# KiCad board Rogelio Pineda - connect 4 AMLDC-2044B.kicad_pcb (continued)
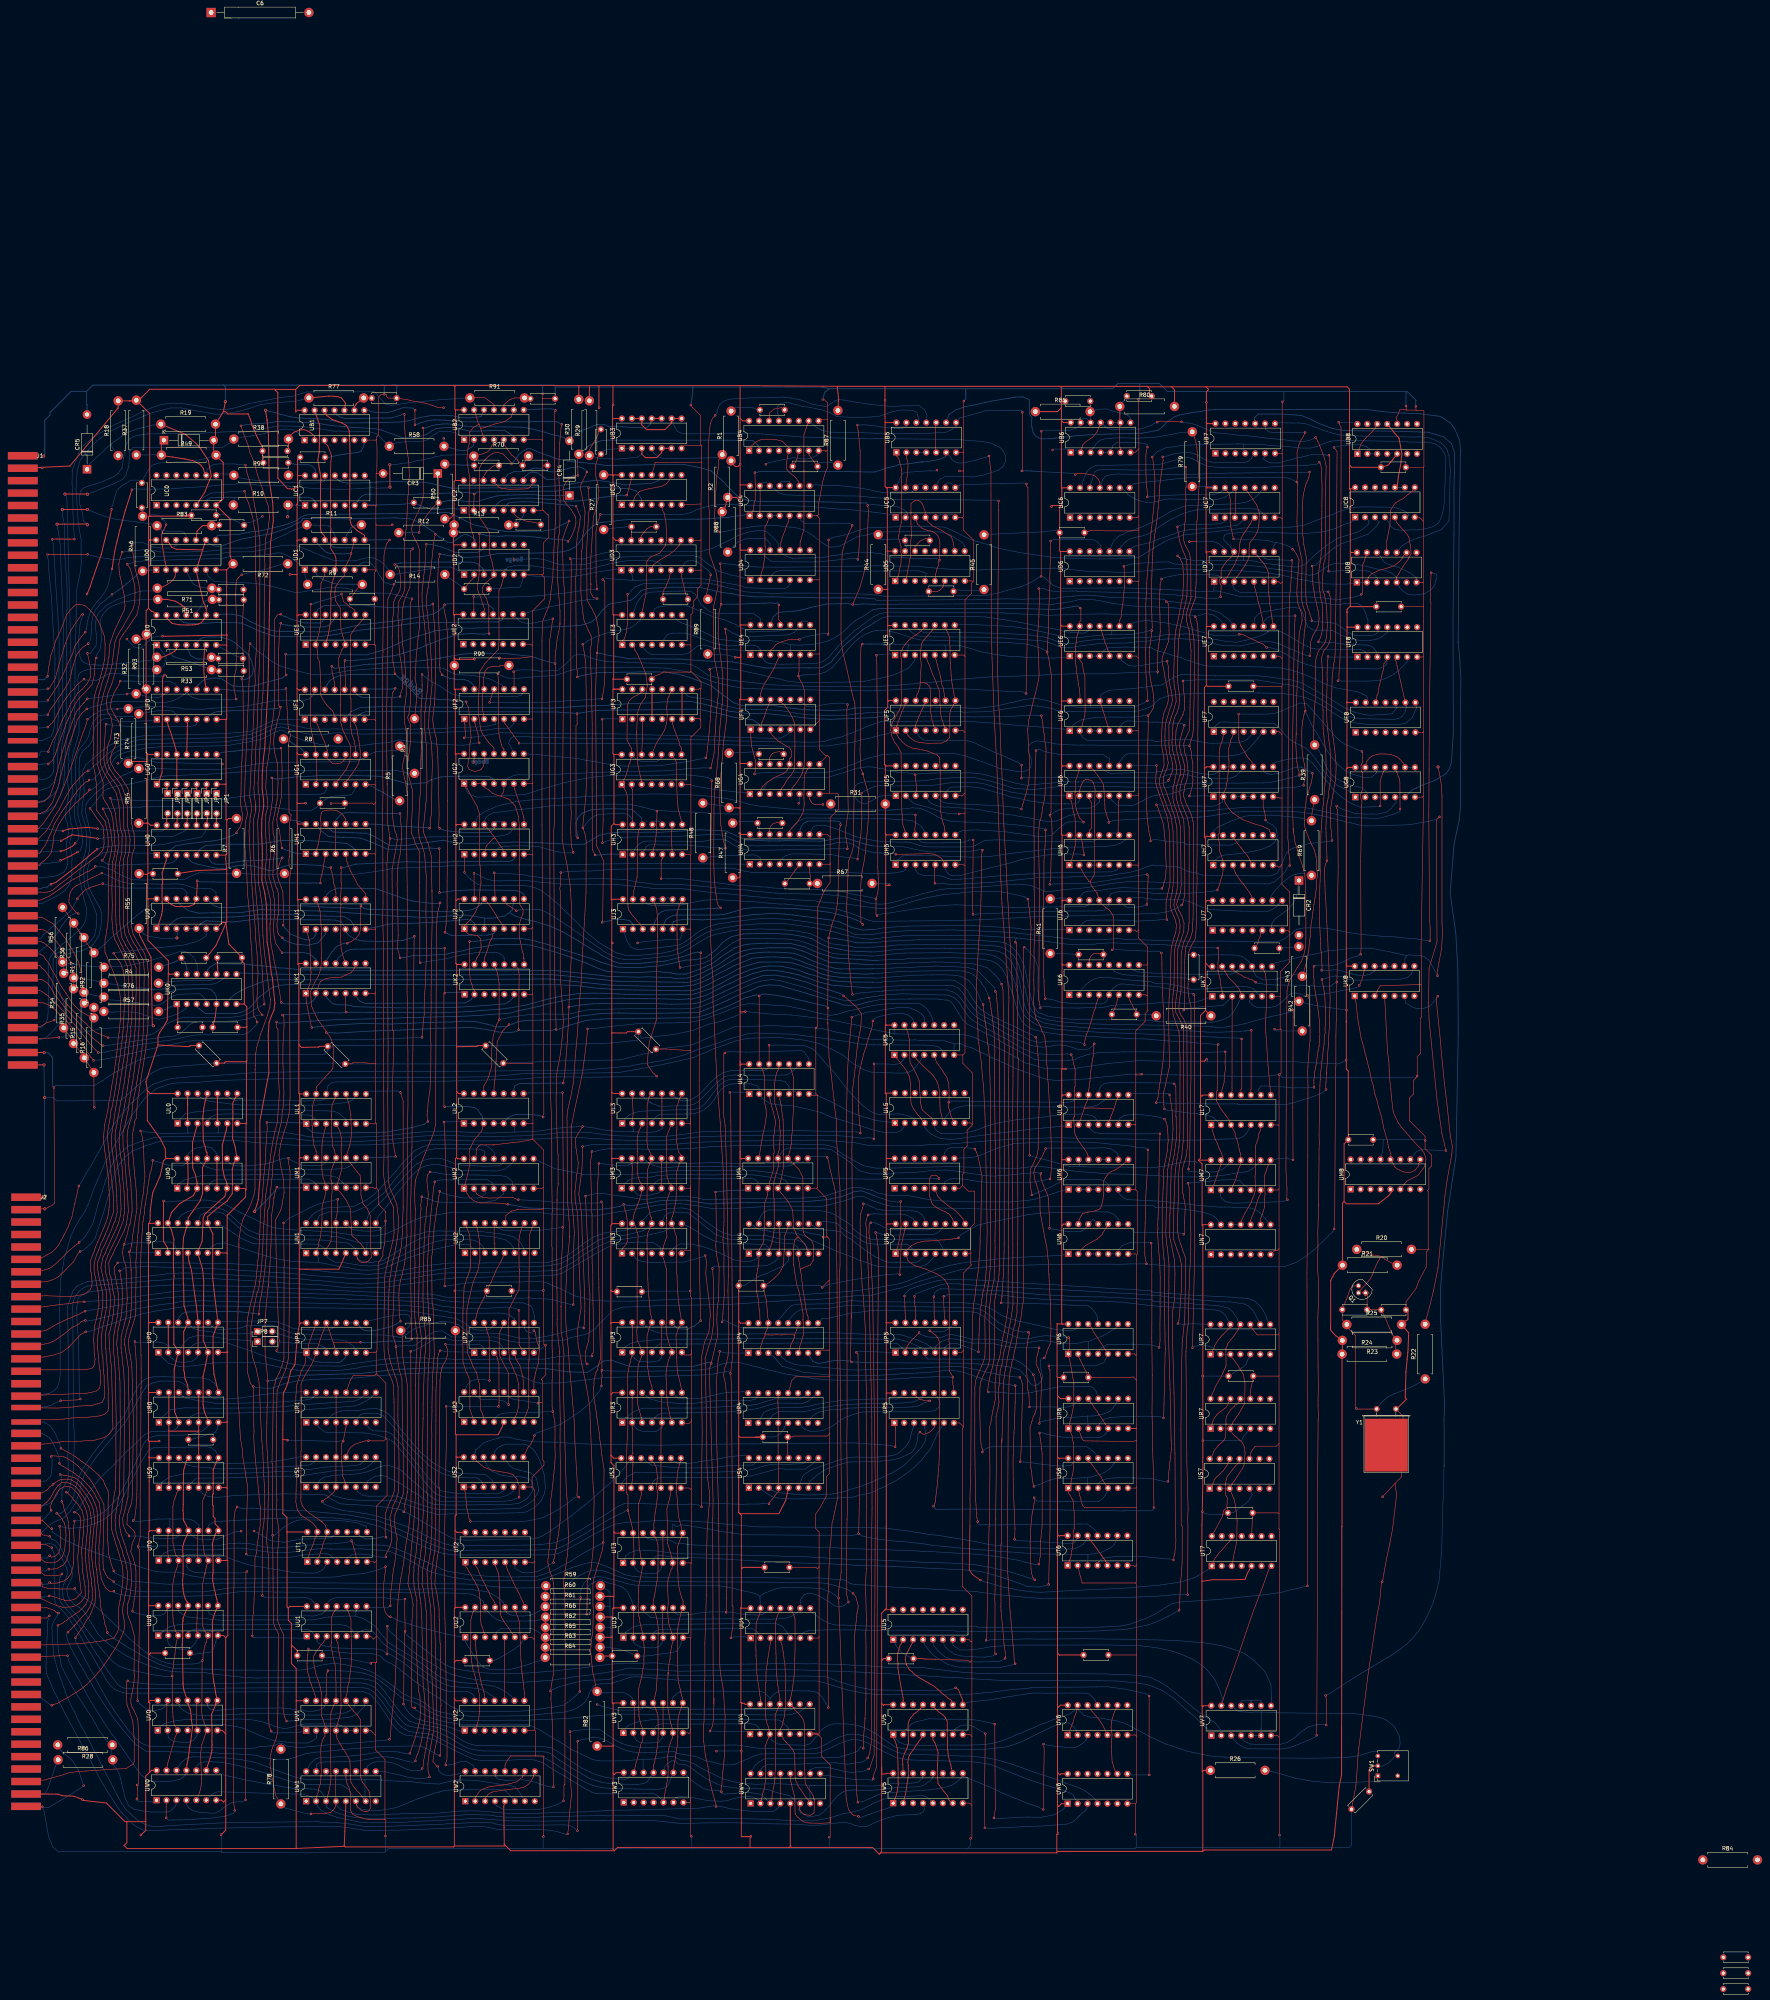
[diagram p0: board, top side]
## Routing (per net, layer and track width the routed paths; a pad name or vN(x,y) marks a point on that pad's centre or on a via; arc(x,y) is an arc through that point) (continued)
  Bottom w0.15: UE2.8 204.95,351.36 206.14,351.88 206.72,351.88 209.44,352.56 210.53,352.84 213.23,353.34 215.68,353.88 218.38,354.4 219.27,354.49 220.25,354.63 220.43,354.69 220.79,354.73 221.24,354.73 221.71,354.76 v1(222.54,354.91) ; C14.1 223.48,392.16 224.17,392.64 224.4,392.78 226.25,393.06 226.94,393.13 UB3.1 UB3.2
E2p9: length 489.8
  Top w0.15: 211.41,51.13 211.41,51.36 v1(211.35,51.42) 211.03,68.27 210.7,73.91 210.76,75.23 210.76,75.76 v1(210.57,75.96) 210.61,75.91 210.83,77.34 210.97,78.21 211.35,80.2 211.38,82.21 211.4,82.91 211.4,101.61 211.35,103.5 210.97,105.14 210.47,106.33 209.95,108.51 209.9,108.97 209.99,109.74 210.33,113.16 210.46,114.73 210.62,119.97 210.53,123.28 210.57,123.58 210.59,124.6 210.91,126.03 210.95,126.87 211.18,128.59 211.39,130.97 211.6,132.86 211.71,134.26 211.8,135.92 211.74,138.44 211.75,142.71 211.72,144.53 v1(211.17,147.29) 211.01,148.56 211.01,155.28 211.06,156 211.06,162.61 210.99,164.08 211.08,171.68 211.05,173.42 211.07,179.58 210.99,183.84 211.02,188.97 210.93,189.57 211.01,198.14 211.06,198.39 210.96,203.56 210.93,206.12 210.93,216.19 210.88,216.24 210.88,221.42 210.57,229.09 210.49,257.55 210.48,258.67 210.32,344.09 210.54,345.08 211.07,348.97 v1(211.21,349.76)
  Top w0.2: 314.11,76.76 v1(314.11,76.74) 314.87,76.22 315.57,74.37 315.94,73.5 UV5.9
  Bottom w0.15: 225.65,78.85 222.57,78.7 220.78,78.69 219.22,78.54 218.25,78.43 216.96,78.06 216.29,77.94 214.92,77.57 212.72,76.96 211.37,76.36 v1(210.57,75.96) ; 225.65,78.85 225.67,78.87 ; 225.65,78.85 226.32,79.21 226.85,79.44 228.33,80.03 266.89,79.75 272.52,79.71 276.66,79.72 279.02,79.64 281.33,79.48 283.73,78.48 286.25,77.71 287.35,77.38 289.61,76.8 290.75,76.61 291.99,76.37 292.55,76.31 293.41,76.2 296.09,76.15 296.81,76.13 301.21,76.05 302.83,76.07 310.39,75.97 311.34,76 313.04,76.32 v1(314.11,76.74) ; v1(211.21,349.76) 210.63,349.53 210.08,349.46 209.19,349.24 207.78,348.99 206.65,348.69 205.48,348.6 204.68,348.55 203.39,348.8 202.7,349.09 202.33,349.46 202.17,349.72 UE2.9 ; UR2.4 196.17,145.3 197.25,146.4 198.27,146.83 200.71,146.98 206.36,147.07 208.63,147.16 209.17,147.29 v1(211.17,147.29) ; v1(211.35,51.42) 211.24,51.32 210.27,51.45 209.62,51.62 208.63,51.92 208.01,52.12 207.04,52.48 204.85,53.04 203.52,53.22 199.28,53.08 199.26,53.11 199.23,53.08 197.26,53.33 196.43,54.21 UW2.13 ; UV6.11 349.59,73.66 348.89,74.59 348.04,75.29 346.35,75.39 344.77,75.39 337.42,75.34 334.4,75.4 332.54,75.21 328.49,74.57 324.63,73.96 322.68,73.61 319.02,73.25 317.08,73.02 UV5.9
E2p13: length 132.1
  Top w0.15: UE2.13 190.86,351.83 191.06,352.02 191.02,352.07 v1(190.98,355.43) 191.02,355.48 ; v1(222.46,357.34) 222.46,358.39 222.26,359.24 222.19,371.75 222.34,372.47 222.69,374.56 222.97,375.25 v1(223.34,376.41)
  Bottom w0.15: v1(223.34,376.41) 230.25,376.41 230.31,376.41 230.52,376.38 244.06,376.31 246.66,376.93 247.46,377.42 249.51,378.1 252.09,378.77 254.92,378.96 260.43,378.75 271.03,378.64 275.06,378.48 275.85,378.53 276.94,378.43 277.54,378.39 282.97,377.84 288.01,377.54 293.64,376.91 295.87,376.61 ; 295.87,376.61 296.12,376.58 ; 295.87,376.61 297.85,376.35 UC5.1 ; v1(190.98,355.43) 191.11,355.3 200.58,355.3 200.86,355.33 205.25,355.46 208.47,355.73 209.44,355.83 210.04,355.85 214.51,356.34 218.39,356.89 219.93,357.1 220.54,357.22 v1(222.46,357.34)
E3p1: length 288.1
  Top w0.15: 230.38,355.96 v1(230.27,355.99) 230.3,348.45 229.99,346.82 229.92,346.1 229.48,344.59 228.91,344.21 UE3.1 ; UD8.13 418.91,365.57 418.62,364.98 418.49,364.4 418.11,363.54 418.02,356.3 417.72,356 v1(417.72,355.95) 417.67,355.95 417.6,355.88 ; v1(335.94,360.59) 335.98,360.63 v1(335.98,397.66)
  Bottom w0.15: 380.05,356.84 379.82,356.75 375.63,356.75 374.5,356.91 365,357.34 360.31,357.52 358.61,357.59 355.44,357.65 355.4,357.61 340.87,357.54 338.98,358.33 336.85,360.24 v1(335.94,360.59) 335.72,360.59 335.24,360.31 334.43,359.64 333.12,358.96 330.85,357.95 328.2,357.28 324.77,356.29 321.38,355.63 319.43,355.67 316.68,355.62 315.58,355.6 295.87,355.5 ; 380.05,356.84 380.92,356.84 381.03,356.83 381.85,356.64 382.94,356.38 383.3,356.26 384.49,356.01 385.93,355.62 387.18,355.37 401.71,355.45 406.36,355.23 411.4,354.66 412.2,354.69 413.21,354.86 415.26,355.18 416.21,355.39 417.25,355.69 v1(417.72,355.95) ; 380.05,356.84 UD7.1 ; R81.2 350.38,403.23 352.2,403.33 352.77,403.32 353.85,402.89 354.39,402.76 354.93,402.64 355.35,402.5 355.74,402.41 356.33,402.3 356.67,402.2 357.58,401.94 358.25,401.59 358.77,400.95 UB6.8 ; R81.2 348.61,402.49 UB6.12 347.51,400.95 346.67,400.95 346.07,400.35 UB6.13 346.07,399.33 345.4,398.66 344.96,398.45 343.27,397.91 336.22,397.9 v1(335.98,397.66) ; R81.2 348.45,405.27 348.51,405.33 ; 233.39,358.39 232.63,358.02 232.17,357.87 231.17,356.9 230.55,355.99 v1(230.27,355.99) ; 295.87,355.5 294.28,355.75 292.44,355.95 291.81,355.99 291.7,356.01 284.67,356.28 276.14,356.3 275.15,356.3 270.75,356.31 268.69,356.25 266.26,356.26 260.42,356.62 257.88,357.26 255.59,357.72 253.71,358.29 253.19,358.4 252.28,358.63 250.88,358.75 250.31,358.86 244.05,358.86 241.86,358.86 235.93,358.72 234.42,358.7 233.24,358.34 ; 295.87,355.5 296.08,355.47
E3p2: length 37.5
  Top w0.15: UG3.3 233.64,309.43 233.43,310.1 233,311.94 232.79,313.86 232.76,314.24 232.64,319.98 232.64,320.84 ; UE3.2 231.93,342.63 232.16,341.71 232.81,340.72 233.19,339.86 233.85,338.37 234.96,335.58 235.35,332.62 234.78,329.6 233.63,328 232.8,325.68 232.62,320.53
E3p3: length 30.5
  Bottom w0.15: UE3.3 234.53,342.05 235.2,341.34 236.11,340.72 244.18,340.6 245.75,340.95 247.34,342.11 248.09,342.76 249.67,343.06 251.14,342.74 252.49,342.25 256.32,341.81 257.52,341.82 260.1,341.67 260.91,341.66 261.54,341.49 UE4.1
E3p5: length 309.2
  Top w0.15: v1(375.31,350.3) 375.66,349.8 375.75,349.09 375.84,348.59 376.01,347.35 376,347.11 376.01,346.66 376.11,344.27 376.11,343.78 376.02,323.41 376.03,322.56 375.97,320.36 375.99,319.09 375.87,314.05 375.92,313.79 375.8,290.54 375.79,289.31 375.74,286.47 375.73,285.13 375.8,283.45 375.68,278.71 375.68,272.56 375.38,268.11 374.9,267.2 374.42,266.43 373.96,265.28 373.69,264.64 373.53,256.42 373.48,255.48 373.57,253.81 373.87,252.22 374.24,250.58 374.22,232.35 373.87,211.2 373.76,210.32 373.59,209.5 v1(373.64,209.2)
  Bottom w0.15: UE7.13 381.87,349.27 380.68,350.31 380.32,350.48 379.86,350.76 379.47,350.86 377.82,351.06 v1(375.31,350.3) 374.64,350.65 372.07,350.8 362.95,350.8 361.03,350.76 352.8,350.97 352.14,350.99 350.64,350.98 349.91,350.94 344.71,350.9 341.51,350.75 337.74,350.63 336.68,350.7 335.84,350.79 327.53,351.11 326.65,351.22 325.85,351.26 296.69,351.47 294.53,350.97 293.18,350.29 290.27,348.2 289.33,347.42 288.26,346.7 284.26,342.94 283.18,341.67 281.76,339.99 280.29,338.9 278.38,338.3 270.15,338.15 269.43,338.14 268.15,338.19 266.43,338.29 265.42,338.87 264.94,339.53 UE4.2 264.22,341.86 263.38,342.74 262.35,343.01 260.98,342.98 256.08,342.82 255.07,342.99 252.36,343.53 249.75,344.49 247.2,345.41 245,346.09 241.73,346.08 240.44,345.72 239.61,344.53 UE3.5 ; UM7.12 383.49,210.12 382.48,209.26 380.73,208.51 377.22,208.35 373.51,208.71 v1(373.64,209.2)
E3p9: length 136
  Top w0.15: UF6.13 345.87,330.18 345.78,331.57 345.43,333.22 345.38,334.02 345.24,334.88 345.08,335.63 344.89,337.59 344.75,338.36 344.75,342.22 344.83,343.2 344.88,343.4 344.92,344.05 345.09,345.23 345.4,346.23 UE6.13 345.82,349.01 346.11,349.3 346.11,352.37 346,352.48 v1(345.96,352.48) 345.96,352.52 345.92,352.55
  Bottom w0.15: UE4.5 271.84,341.76 271.86,341.77 271.86,343.13 ; UE3.9 243.25,349.14 243.87,348.77 244.32,348.66 248.18,347.13 250.94,345.76 253.45,344.56 257.54,344.06 258.1,344.01 266.56,344.25 270.83,343.44 271.86,343.13 ; 271.86,343.13 273.96,342.99 274.8,343.04 277.48,343.17 279.35,343.5 281.87,344.22 283.96,345.33 285.42,346.45 286.28,347.19 287.08,348.04 288.45,349.25 291.05,350.74 291.93,351.35 292.78,352
  Bottom w0.2: v1(345.96,352.48) 345.2,353.04 339.44,352.11 330.1,352.39 300.53,352.39 294.83,352.4 292.78,352
E3p11: length 38.6
  Bottom w0.15: UE4.10 271.38,347.43 270.73,346.94 270.21,346.78 268.71,346.61 266.05,346.53 261.72,346.39 259.3,347.42 257.96,348.28 256.92,348.67 256.39,348.91 ; UE3.11 237.3,352.41 238.66,352.89 241.38,353.17 242.61,353.16 245.71,352.99 252.32,350.19 254.95,349.5 256.5,348.89
E3p13: length 40.5
  Bottom w0.15: UE3.13 231.95,351.78 232.15,352.42 232.33,352.94 232.71,353.85 233.43,354.94 234.32,355.93 234.77,356.16 236.19,356.55 241.59,356.8 242.29,356.78 243.6,356.82 244.46,356.85 246.43,356.71 247.56,356.06 249.12,353.38 249.68,352.88 251.21,351.64 252.6,351.18 254.28,351.06 256.51,351.05 260.22,351.16 261.31,351.09 262.37,351.1 263.97,350.05 264.21,349.72 264.22,349.39 UE4.13
E4p3: length 195.7
  Top w0.15: v1(281.65,369.86) 281.65,345.91 v1(281.54,345.79) ; UE4.3 266.76,341.71 267.47,342.25 268.15,343.13 268.66,343.44 269.34,343.76 271.27,344.38 273.84,344.46 v1(274.2,344.45) 274.22,344.47
  Bottom w0.15: UC8.6 429.81,375.88 429.85,376.34 429.51,376.75 428.9,377.24 426.71,378.07 424.88,378.25 417.7,378.33 415.85,378.2 414,377.84 411.71,376.98 410.67,376.48 409.58,376.08 407.38,375.3 403.12,373.65 400.38,373.24 399.33,373.13 391.49,373.13 390.59,373.15 387.27,372.91 384.8,372.48 382.35,372.26 381.41,372.14 379.39,371.92 375.16,371.52 374.6,371.39 372.67,371.2 368.75,370.08 367.29,369.31 365.07,368.03 360.94,365.5 356.34,365.08 350.94,365.03 345.08,365.11 342.12,365.26 340.39,365.35 338.75,365.45 330.44,366.67 324.98,367.77 321.19,369.04 319.19,369.56 317.03,370.4 313.91,371.99 311.31,373.15 310.05,373.22 305.45,373.37 303.58,373.32 303.09,373.29 302.22,373.37 293.08,373.01 291.61,372.96 290.1,372.56 287.96,371.87 286.69,371.4 285.29,371.04 284.24,370.84 283.5,370.67 281.65,370.11 v1(281.65,369.86) ; v1(281.54,345.79) 280.73,346.05 278.97,345.74 277.79,345.49 277,345.43 275.26,345.01 v1(274.2,344.45)
E4p4: length 12.7
  Top w0.15: UF4.13 264.27,330.49 264.35,330.84 264.8,332.19 265.49,333.56 266.2,334.57 267.65,336.98 268.48,338.93 UE4.4
E4p6: length 265
  Top w0.15: v1(363.07,284.43) 363.32,284.16 363.29,283.75 v1(362.98,276.78) ; UE4.6 274.1,340.27 274.1,336.32 273.99,335.95 273.95,335.86 273.95,335.11 v1(273.93,335.09) 273.95,335.07 274.23,334.36 275,332.97 275.43,331.51 275.51,329.8 275.58,327.03 275.43,326.78 275.45,323.73 275.58,321.44 275.51,316.96 275.45,316.44 275.45,313.57 275.4,312.25 275.32,311.81 275.09,311.01 275.04,310.58 274.79,309.95 273.51,307.94 272.37,306.55 UG4.5 ; v1(338.37,369.61) 338.37,367.64 338.39,367.62 338.16,360.05 338.21,358.79 337.77,348.97 337.79,346.53 v1(337.49,341.23) 337.84,339.77 338.06,338.64 338.12,337.91 338.33,336.99 338.46,336.13 338.57,334.93 338.6,331.62 338.57,330.6 338.57,316.45 338.54,316.41 338.57,316.38 338.48,301.94 338.48,300.39 v1(338.22,299.57) 338.64,298.44 338.75,295.03 338.62,289.68 338.5,288.54 338.41,285.2 338.42,283.95 338.3,282.97 v1(338.15,281.89)
  Bottom w0.15: UD6.11 351.24,368.44 350.33,369.48 348.96,369.96 341.85,370.05 340.77,370.06 339.17,370 338.45,369.61 v1(338.37,369.61) ; 358.36,275.98 361.07,276.18 361.96,276.37 v1(362.98,276.78) ; v1(337.49,341.23) 337.49,341.56 336.77,341.77 336.07,342.16 334.89,342.56 332.43,343.25 330.69,343.4 327.66,343.68 325.89,343.75 312.1,344.14 307.56,344.31 305.59,344.27 302.98,344.82 299.71,345.97 296.54,346.75 294.95,346.83 294.19,346.79 293.81,346.76 292.69,346.47 291.66,346.04 290.22,345.32 289.09,344.48 287.5,343.04 286.79,342.15 286.44,341.75 286.12,341.36 285.23,340.33 284.52,339.45 282.49,337.23 280.96,336.19 279.57,335.74 277.76,335.52 276.34,335.43 274.96,335.37 274.38,335.17 v1(273.93,335.09) ; 358.46,275.97 357.64,276.17 357.09,276.65 UJ6.9 ; v1(338.22,299.57) 338.7,299.84 339.31,300.39 340.07,300.66 340.61,300.94 342.63,301.38 343.37,301.38 347.43,301.38 348.5,301.42 349.93,302.14 350.83,303 UG6.4 ; v1(363.07,284.43) 362.61,284.43 361.56,284.28 360.05,284.08 358.87,283.84 355.32,283.33 353.63,283.03 349.53,282.42 347.37,282.15 342.17,282.12 341.21,282.03 340.7,282.06 339.99,282.01 339.45,282.02 v1(338.15,281.89)
E5p4: length 20.2
  Top w0.15: UF5.6 311.03,322.86 310.59,324.02 310.23,325.74 310.15,327.91 309.98,331.2 309.59,332.27 309.15,333.47 308.75,334.37 308.22,335.59 307.83,336.64 307.43,337.88 306.98,338.74 306.7,339.69 UE5.4
E5p9: length 42.5
  Top w0.15: UE5.9 311.84,346.7 312.3,345.67 312.51,345.09 312.59,343.45 312.68,342.59 312.67,342.35 312.7,338.79 312.76,338.26 312.86,336.92 312.97,335.3 313.06,334.19 313.22,333.1 313.66,330.81 313.69,330.16 UF5.8 313.4,327.43 312.76,326.32 312.62,325.35 312.6,324.57 312.56,323.79 312.63,323.4 312.6,319.46 311.76,318.58 310.53,318 307.06,317.94 304.77,318.15 303.68,318.53 302.77,319.11 302.28,319.53 302.11,319.78 301.81,320.08 UF5.2
E5p10: length 35.1
  Top w0.15: 305.05,333.49 305.03,332.58 304.84,331.9 304.58,331.06 304.08,330.06 304.31,329.25 UF5.12 ; 305.05,333.49 306.15,333.39 306.81,333.08 307.3,332.67 307.59,332.09 307.72,325.96 307.87,325.1 308.03,324.02 308.25,323.45 308.47,322.63 UF5.5 ; 305.05,333.49 305.23,335.26 305.17,335.79 305.33,338.16 305.13,339.57 305.21,341.86 305.38,343.32 305.66,343.78 306.06,344.46 306.35,344.74 308.06,346.7 308.28,346.96 308.41,347.72 UE5.10
E5p11: length 57.6
  Top w0.15: UH5.13 301.17,295.65 301.03,296.03 300.72,296.72 300.47,298.03 300.46,298.68 300.46,299.54 300.41,299.84 300.3,303.09 300.16,315.63 299.75,316.34 299.49,316.95 298.97,317.65 298.52,318.19 298.2,318.88 298.13,319 297.67,319.98 297.64,320.78 297.54,321.3 297.58,321.86 297.82,322.89 297.99,323.36 298.27,323.76 298.64,324.51 299.25,325.66 299.66,326.32 299.86,326.82 300.26,328.08 300.23,330.84 300.21,331.57 300.2,336.86 300.31,338.46 300.01,341.13 300.5,342 300.56,342.32 301.4,343.45 301.83,343.97 302.27,344.4 303.31,345.22 303.79,345.52 304.2,345.8 304.92,346.33 305.96,347.29 UE5.11
E5p12: length 141.7
  Top w0.15: UE7.8 395.04,349.05 394.93,349.97 ; UD7.10 390.34,366.56 391.03,366.04 391.81,365.15 392.09,364.75 392.35,364.46 392.75,364 393.26,363.24 393.65,362.56 393.86,361.99 394.11,361.07 394.09,356.49 394.15,355.7 394.28,354.98 394.31,353.97 394.41,353.3 394.5,352.82 394.64,351.84 394.8,350.77 394.97,349.68
  Bottom w0.15: 376.03,345.54 375.88,345.56 ; 375.88,345.56 375.12,345.69 374.43,345.78 372.99,345.9 372.33,345.83 368.25,345.75 367.01,345.54 366.02,345.3 364.77,345.15 364.75,345.17 362.62,344.95 361.25,344.93 358.31,344.87 356.93,344.83 355.16,344.73 353.72,344.66 350.39,344.45 349.49,344.4 346.79,344.05 345.78,343.88 344.22,343.5 343.81,343.42 342.87,343.32 341.36,343.42 340.52,343.7 339.24,344.29 337.56,344.87 336.48,345.16 334.81,345.34 333.35,345.6 331.95,345.68 326.93,345.98 318.9,346.18 308.41,346.31 306.4,346.31 305.85,346.24 305.24,346.57 304.93,346.81 304.72,346.97 UE5.12 ; 375.88,345.56 376.93,345.28 378.42,344.82 380.9,344.39 382.9,344.01 385.97,343.76 388.39,344.31 391.01,345.06 392.88,345.78 393.33,346.01 393.92,346.34 394.2,346.84 394.76,347.11 UE7.8 396.37,346.82 397.37,346.35 397.98,346.04 398.75,345.64 400.02,344.92 402.9,343.21 405.2,342.15 408.51,341.93 411.04,341.96 417.59,341.9 418.88,341.24 UE8.2
E5p13: length 152.3
  Top w0.15: v1(404.6,340.27) 404.79,342.2 404.74,343.06 404.77,343.79 405.46,345.63 406.38,347.12 406.78,348.21 406.96,349.75 406.85,351.11 406.7,351.78 406.17,354.3 405.82,355.54 405.69,356.74 405.55,357.57 405.4,358.56 405.32,359.83 405.31,360.69 405.28,362.38 v1(405.18,363.21)
  Bottom w0.15: UE5.13 302.03,347.41 302.38,346.75 302.78,346.4 303.47,345.89 304.45,345.34 305.44,345.25 305.74,345.17 320.47,345.04 323.3,344.89 325.28,344.83 325.9,344.83 327.37,344.78 328.36,344.67 330.78,344.52 332.97,344.32 334.78,344.23 335.69,344.24 337.95,343.7 338.64,343.41 340.22,342.81 341.25,342.46 342.68,342.41 343.73,342.48 344.54,342.56 345,342.67 346.1,342.81 347.12,342.96 349.19,343.22 350.53,343.39 352.48,343.52 353.46,343.48 354,343.51 357.85,343.55 358.77,343.7 360.94,343.92 361.78,343.97 364.44,344.16 365.11,344.33 366.76,344.47 368.25,344.6 369.33,344.57 371.75,344.68 372.83,344.56 373.35,344.57 374.67,344.46 376.84,344.14 380.96,343.21 ; v1(404.6,340.27) 404.12,340.33 403.82,340.34 402.91,340.71 398.24,342.65 397.18,343.22 395.37,343.76 393.81,344.02 392.28,343.95 389.42,343.38 386.8,342.78 382.96,342.88 382.35,342.96 381.42,343.09 380.96,343.21 ; v1(405.18,363.21) 406.16,363.48 408.27,365.8 410.76,367.8 411.49,368.2 411.81,368.42 412.48,368.84 412.97,369.02 414.9,369.72 417.4,370.59 417.72,370.67 418.26,370.92 419.48,371.36 421.49,373.23 422.3,374.39 UC8.3 ; 380.96,343.21 381.07,343.18
E6p2: length 66.7
  Top w0.15: UE6.2 345.82,339.28 346.47,338.38 346.71,336.72 347.12,335.24 347.19,326.47 347.18,326.16 347.11,325.07 346.82,324.07 346.55,323.02 346.45,322.59 346.19,322.15 345.85,321.16 UF6.2
  Bottom w0.15: UF7.5 389.77,320.19 389.47,319.88 388.58,318.96 387.53,318.4 386.45,318.15 379.44,317.93 378.1,318.07 375.61,318.52 373.95,318.94 372.07,318.91 370.9,318.91 370.19,318.86 368.86,318.78 367.67,318.62 365.07,318.39 364.38,318.72 362.71,318.76 348.6,318.61 347.66,318.76 346.54,319.44 345.82,320.48 UF6.2
E6p3: length 75.7
  Bottom w0.15: UF8.13 419.32,328.8 419.32,329.57 419.03,330.08 418.44,330.38 418.08,330.55 416.69,331.12 414.51,331.5 411.01,332.14 408.27,333.19 406.16,334.25 403.7,335.3 402.81,335.68 400.74,336.36 399.66,336.74 398.46,336.91 397.41,337.13 395.72,337.33 393.74,337.34 392.77,337.44 378.19,337.69 377.19,337.99 375.64,338.39 374.1,338.97 372.71,339.32 371.72,339.83 369.29,340.49 367.63,341.06 365.3,341.65 364.04,342.37 362.51,342.38 362.07,342.4 361.65,342.49 359.58,342.49 359.54,342.45 358.04,342.52 357.29,342.53 356.04,342.45 355.38,342.48 354.68,342.43 354.29,342.36 352.82,342.34 352.82,342.33 351.95,341.6 UE6.4 UE6.3
E6p6: length 193.6
  Top w0.15: v1(368.15,338.91) 368.31,338.2 368.47,337.42 368.41,337.06 368.53,334.89 368.93,332.48 369.12,331.69 369.39,330.04 369.48,328.95 369.26,327.76 368.82,326.71 367.87,323.47 367.71,322.41 367.62,321.66 367.63,321.24 367.58,319.74 367.61,318.71 367.58,317.76 367.71,316.9 367.84,316.39 368.45,312.96 368.1,311.5 367.87,311.02 367.25,309.4 367.17,308.39 367.12,307.89 367.3,307.01 368.2,304.82 368.64,303.44 368.99,302.56 369.38,301.12 370.05,299.38 370.53,296.86 370.65,296.3 370.8,282.57 370.78,281.39 370.66,280.49 370.56,279.73 370.06,277.97 369.87,276.64 370.23,275.24 370.61,274.36 371.28,272.79 371.44,271.44 371.42,270.86 371.38,269.72 371.01,268.96 370.93,268.36 370.39,266.82 370.02,264.97 369.9,255.67 369.89,255.65 369.73,254.55 369.64,253.76 369.46,250.76 369.72,248.48 370.71,245.56 371.19,244.23 371.36,239.31 371.45,237.33 371.4,218.38 371.17,215.02 371.15,214.64 370.66,211.8 370.24,208.81 370.19,207.99 369.88,199.68 369.85,198.81 369.78,191.32 370.66,188.73 371.23,187.11 371.43,186.49 371.57,185.78 371.81,184.9 371.8,182.89 371.74,177.86 371.29,171.78 371.17,170.64 371.1,170.14 v1(370.9,169.74)
  Bottom w0.15: UE6.6 356.46,339.1 357.24,338.51 358.12,337.95 358.63,337.77 359.88,337.65 361.5,337.83 363.38,338.13 364.39,338.32 366.07,338.58 366.53,338.69 367.22,338.85 367.81,338.91 v1(368.15,338.91) ; UP7.14 375.12,169.69 372.11,169.57 v1(370.9,169.74)
E6p8: length 83.2
  Top w0.15: UF8.12 421.77,330.14 422.03,330.74 422.29,332.42 422.61,333.67 422.95,335.13 423.02,335.44 423.31,336.57 423.47,337.05 423.52,338.21 424.4,339.3 UE8.4 ; v1(393.57,342.41) 392.71,343.27 391.71,343.63 390.74,344.18 390.34,344.32 389.48,344.73 388.91,344.98 387.72,345.63 387.07,345.78 v1(386.59,345.8)
  Bottom w0.15: UE8.4 424.3,338.37 424.13,337.96 423.47,337.5 422,336.92 407.05,337.26 406.11,337.45 403.62,338.12 401.61,338.92 400.1,339.74 398.25,340.86 396.19,341.89 394.68,342.32 v1(393.57,342.41) ; 375.63,346.78 376.37,346.55 380.13,345.5 383.39,345.37 384.18,345.4 384.74,345.46 385.43,345.56 386.04,345.58 v1(386.59,345.8) ; 375.63,346.78 374.46,347.07 372.75,347.61 370.62,348.08 368.26,348.63 365.35,349 364.26,349 363.26,349.4 361.92,349.19 361.13,349.12 359.61,348.78 UE6.8 ; 375.63,346.78 375.75,346.75
E6p9: length 431.2
  Top w0.15: v1(435.61,361.51) 435.44,358.62 435.42,354.66 435.52,353.83 435.38,342.07 435.23,331.05 435.08,315.09 435.08,311.26 435,299.65 435.21,272.7 435.35,270.71 435.35,267.59 v1(435.26,267.5) ; UC8.5 426.71,374.5 427.46,373.54 428.03,372.9 428.73,372.15 429.39,371.42 429.95,370.47 430.07,369.4 430.34,368.45 430.47,366.39 429.71,364.93 428.5,363.21 427.65,361.85 427.37,361.33 426.77,360.46 UD8.5 ; UE6.9 355.98,349.31 356.41,350.25 356.65,352.78 356.82,353.44 357.07,356.16 357.24,357.92 357.17,363.06 v1(357.08,363.15) 357.05,363.18
  Bottom w0.15: 376.14,363.53 375.56,363.48 370.05,363.71 368.66,364.27 365.64,364.22 363.33,364.11 360.12,363.82 359.29,363.74 358.8,363.7 v1(357.08,363.15) ; 376.14,363.53 376.27,363.54 ; 376.14,363.53 386.1,363.57 391.14,363.17 391.94,363.04 392.71,363.01 393.28,362.8 395.73,362.43 397.43,362.18 398.55,361.97 399.73,361.89 401.02,361.58 403.13,361.18 404.61,360.84 406.22,361.23 407.74,362.24 408.28,362.58 408.87,362.97 409.3,363.2 410.12,363.66 410.87,363.82 413.49,363.85 414.49,363.69 416.71,363.62 417.65,363.45 419.74,362.97 420.74,362.71 423.14,362.2 424.13,361.98 424.9,361.63 425.5,361.44 425.98,361.07 426.77,360.27 ; v1(435.61,361.51) 435.64,361.51 436.28,361.31 437.03,361.15 437.06,360.03 436.63,359.45 436.61,358.59 435.66,357.2 433.81,356.12 431.28,355.8 429.51,356.06 428.2,357 427.5,357.76 UD8.5 426.79,360.25 426.77,360.27 ; 426.77,360.27 426.77,360.12 ; UJ3.1 229.83,268.52 230.07,267.63 231.08,265.89 232.74,265.2 236,265.56 237.89,265.7 241.33,266.12 243.54,266.45 245.25,267.39 247.31,269.01 248.65,269.9 250.44,270.9 251.9,271.45 253.33,271.82 256.1,272.18 257.07,272.37 260.9,272.8 262.67,273.04 266.62,273.25 271.6,272.94 272.99,272.73 275.37,272.43 276.89,272.23 278.73,271.9 282.13,271.3 284.01,270.78 285.61,270.36 286.47,270.06 288.4,269.06 292.43,269.09 293.3,269.22 295.1,269.49 295.83,269.57 297.72,269.8 298.61,269.9 300.44,270 302.17,270.08 303.23,270.09 313.32,270.3 314.68,270.23 318.27,270.08 320,270.01 325.6,269.77 328.49,269.65 330.97,269.31 332.16,269.22 334.87,268.9 337.18,268.68 342.1,268.11 343.62,267.89 349.83,267.77 351.67,267.84 352.44,267.84 355.35,268.09 356.89,267.93 358.13,267.84 375.38,267.32 376.03,267.39 381.66,267.43 388.12,267.36 392.34,267.37 396.3,267.34 397.9,267.89 399.44,269 400.13,269.48 400.62,269.99 401.17,270.37 402.99,270.79 404.32,270.82 407.21,270.82 410.11,270.5 412.25,270.05 414.97,269.54 418.08,269.11 422.37,268.73 422.9,268.66 423.63,268.62 426.42,268.52 427.23,268.35 431.72,268.03 432.31,267.88 v1(435.26,267.5)
E6p11: length 8.1
  Top w0.15: UE6.5 353.34,341.18 352.99,341.78 352.7,342.58 352.25,343.73 351.8,345.21 351.62,345.89 351.3,346.92 UE6.11
E7p10: length 42.5
  Bottom w0.15: UE7.10 390.51,349.89 391.43,350.99 392.58,351.48 394.55,351.83 395.89,352.06 398.21,352.44 398.85,352.65 400.44,352.72 402.03,352.39 402.53,351.9 403.33,349.56 404.09,347.72 405.5,346.85 410.32,346.81 412.52,345.62 415.22,344.52 417.42,344.23 419.99,344.2 421.86,344.56 422.82,345.07 424.37,346.24 UE8.11
E8p6: length 91.9
  Top w0.15: v1(411.97,399.92) 412.18,399.46 412.58,398.6 412.59,392.8 412.59,390.87 412.56,379.18 412.55,374.85 412.5,367.34 412.47,365.81 412.33,354.67 412.33,352.67 412.35,349.35 412.41,342.5 412.28,338.59 412.17,337.26 412.04,335.67 412.04,334.17 v1(411.8,333.92)
  Bottom w0.15: v1(411.8,333.92) 412.8,333.84 418.35,333.84 419.04,333.81 419.8,333.85 422.54,334.02 423.65,334.41 425.42,335.22 ; 425.37,335.2 426.17,335.67 426.78,336.09 426.85,336.22 427.21,336.46 429.48,338.73 UE8.6 ; v1(411.97,399.92) 411.98,399.93 416.52,399.93 416.76,399.7 UB8.14
EOT: length 170.1
  Top w0.15: 82.92,135.86 83.07,136.01 86.09,135.75 86.47,135.66 87.74,134.93 88.68,134.31 89.77,133.44 91.45,131.76 92.96,129.88 93.78,128.71 94.61,127.21 95.55,125.41 96.48,123.55 96.55,122.25 96.47,119.61 96.25,111.04 96.25,108.62 96.41,106.92 ; v1(99.01,103.82) 97.45,104.87 96.62,106.37 96.41,107.07 96.41,106.8
  Top w0.25: R60.1 209.27,97.47 R61.1
  Bottom w0.15: 83.06,135.77 v1(83.02,135.77) 83.26,135.08 83.23,133.09 83.14,132.02 82.86,130.68 81.69,129.54 J2.48 ; v1(99.01,103.82) 99.22,103.47 99.53,103.26 100.72,102.68 102.03,102.05 102.6,101.88 103.58,101.61 103.98,101.48 105.12,101.4 105.8,101.31 106.91,101.23 107.57,101.22 122.09,101.23 123.57,101.45 126.01,101.79 127.14,101.98 128.62,102.22 129.69,102.3 130.11,102.33 134.01,102.42 136.35,102.45 143.57,102.32 144.92,102.29 150.81,102.13 162.29,101.94 169.48,101.94 169.55,101.87 181.42,101.99 183,101.97 183.86,101.99 187.92,101.93 189.37,101.86 190.82,101.77 194.43,101.23 195.66,100.67 196.55,100.12 197.32,99.66 198.12,98.94 198.53,98.46 198.66,98.14 UU2.10 199.31,95.91 200.24,95.42 201.11,95.15 201.93,95.1 203.71,95.04 205.72,95.31 207.18,96.01 207.92,96.46 R61.1
F0p2: length 17
  Top w0.25: UG0.3 UG0.12 114.97,315.26 114.94,316.19 114.44,317.89 113.5,320.9 112.92,322.42 UF0.2
F0p4: length 9
  Top w0.25: UG0.11 117.8,320.78 117.8,322.12 117.83,322.48 117.84,323.06 UF0.4
F0p8: length 274.4
  Top w0.15: UP1.13 149.6,166.69 148.69,164.06 148.76,163.59 UP1.1 147.85,159.32 146.92,157.67 146.5,156.37 145.78,154.12 145.53,151 145.5,141.34 145.65,129.93 145.6,127.04 ; UT1.1 148.68,110.11 148.89,110.7 149.04,111.28 149.35,111.93 149.59,112.51 149.96,113.39 150.37,114.82 150.76,115.48 UT1.13 150.79,117.54 150.58,117.97 149.72,118.9 148.8,119.53 146.83,120.79 146.24,121.72 145.88,122.27 145.51,124.28 145.58,125.42 145.57,126.38 145.6,127.04 ; v1(140.6,162.83) 141.09,163.95 141.29,165.44 141.2,166.21 140.9,174.13 140.59,182.72 140.34,196.21 141.38,198.11 141.71,198.82 142.03,200.26 142.54,203.28 142.27,207.08 141.72,209.7 141.22,212.84 141.4,213.93 141.68,215.72 141.9,216.43 142.1,217.29 142.52,218.66 143.21,220.82 143.81,223.4 144.06,227.43 143.85,276.07 143.81,276.11 143.95,278.94 143.86,282.96 144.3,285.78 143.8,286.61 143.75,288.05 143.86,289.13 143.85,289.07 143.9,291.97 143.87,296.47 143.9,297.52 144.09,298.22 144.34,299.66 143.78,300.22 143.78,301.34 143.77,302.21 143.73,309.37 143.67,310.98 143.67,315.82 143.6,317.37 144.06,319.6 144.23,319.78 143.58,322.14 143.3,326.83 143.17,329.07 v1(143.01,331.98) ; 145.6,127.04 145.63,126.94
  Bottom w0.2: v1(140.6,162.83) 140.6,162.68 140.98,162.3 145.78,162.46 UP1.1 148.58,161.27 149.47,160.55 150.41,160.07 151.71,159.87 156.35,159.85 156.75,159.89 157.17,160.05 158.23,161.09 UP1.5 ; v1(143.01,331.98) 142.43,331.65 139.59,331.5 139.29,331.47 137.95,331.47 134.15,331.31 132.54,331.27 130.63,331.33 129.43,331.42 128.36,331.58 127.32,331.67 UF0.8
F0p10: length 465.2
  Top w0.15: v1(367.93,354.17) 368.41,353.69 368.66,345.87 368.46,343.87 368.28,343.39 367.66,341.82 367.37,341.03 366.96,340.07 366.81,339.12 367.09,337.61 367.23,337.09 367.39,336.1 367.53,335.48 367.59,334.81 367.78,333.9 368,332.9 368.13,332.15 368.3,331.02 368.43,330.15 368.43,328.88 368.37,328.62 368.29,328.12 367.97,327.13 367.43,325.99 367.28,325.48 367.09,324.57 366.9,323.26 366.85,322.25 366.7,319.84 366.66,318.77 366.75,317.35 367.05,315.62 367.3,314.41 367.36,312.35 367.04,311.34 366.54,309.98 366.16,308.72 366.25,307.3 366.6,306.11 367.18,304.29 367.58,303.25 368.23,301.36 369.12,299.37 369.67,295.46 369.7,291.99 369.86,283.93 369.52,280.36 369.09,278.39 368.9,276.55 369.26,275.15 369.85,273.78 370.2,272.99 370.52,271.56 370.36,269.72 369.96,268.56 369.58,267.1 369.2,265.73 368.99,261.79 369.02,261.06 368.94,260.44 369.02,257.25 368.93,256.18 368.73,253.68 368.65,252.97 368.54,249.31 368.48,249.09 368.57,244.8 368.72,236.56 368.76,235.91 368.7,235.58 368.69,235.15 367.9,231.64 367.74,230.61 367.47,229.7 367.23,228.63 367.12,227.87 367.16,226.77 367.29,225.79 v1(367.43,224.54) ; v1(143.07,335.39) 142.94,335.52 v1(142.94,340.74)
  Bottom w0.15: 292.06,354.88 293.41,354.88 293.82,354.47 315.6,354.62 318.54,354.58 319.85,354.61 327.33,354.86 330.92,354.72 332.42,354.79 334.47,354.81 336.48,354.81 337.65,354.87 339.54,354.97 341.24,355.25 343.47,355.47 343.88,355.48 344.24,355.52 346.42,355.74 347.25,355.81 348.46,355.71 350.89,355.59 351.47,355.44 353.53,355.23 354.17,355.19 355.06,355.18 360.73,355.04 362.2,354.97 366.78,354.77 367.5,354.72 367.8,354.17 v1(367.93,354.17) 368.97,354.12 369.72,354.09 371.45,353.83 372.54,353.77 373.57,353.73 376.32,353.5 378.42,353.4 ; 375.63,223.34 378.28,222.99 379.66,222.5 380.1,222.21 UL7.2 ; 375.63,223.34 375.27,223.34 372.6,223.65 370.53,224.01 369.46,224.1 368.48,224.15 v1(367.43,224.54) ; 375.63,223.34 375.77,223.34 ; 378.42,353.4 378.6,353.4 ; 378.42,353.4 386.86,353.4 387.26,353.45 388.95,353.41 393.68,353.66 395.16,353.72 395.7,353.74 403.38,353.97 404.77,353.94 406.57,353.97 407.95,353.85 409.36,353.61 409.88,353.51 410.27,353.46 412.32,353.39 413.47,353.66 416.88,353.66 416.93,353.6 417.9,353.03 418.6,351.86 419.48,349.31 UE8.13
  Bottom w0.2: v1(143.07,335.39) 142.16,334.66 140.61,334.22 138.58,333.69 134.66,332.56 133.32,332.49 131.82,332.41 129.31,332.62 126.48,334.48 124.96,334.67 122.11,334.17 120.52,332.83 UF0.10 ; v1(142.94,340.74) 143.35,340.55 148.84,340.63 150.08,340.63 163.64,340.54 167.66,341.71 169.99,342.64 172.91,343.98 175.04,344.77 176.66,345.32 181.21,346.67 187.15,347.43 190.52,347.34 192.02,347.41 197.39,347.53 208.39,347.55 217.62,348 218.64,348.16 219.41,348.36 221.17,348.99 222.51,350.23 223.01,350.81 223.64,351.72 225.48,353.46 231.16,354.49 232.63,355.63 233.69,356.91 235.31,357.49 241.75,357.81 248.99,357.71 254.51,356.47 257.2,356.11 258.66,355.79 262.86,355.34 267.25,355.34 273.59,355.21 276.44,355.18 280.3,355.07 286.36,355.12 290.65,355.07 292.18,354.86
